# Altium PCB STM32F407开发板.PcbDoc (part 1 of 3) (continued)
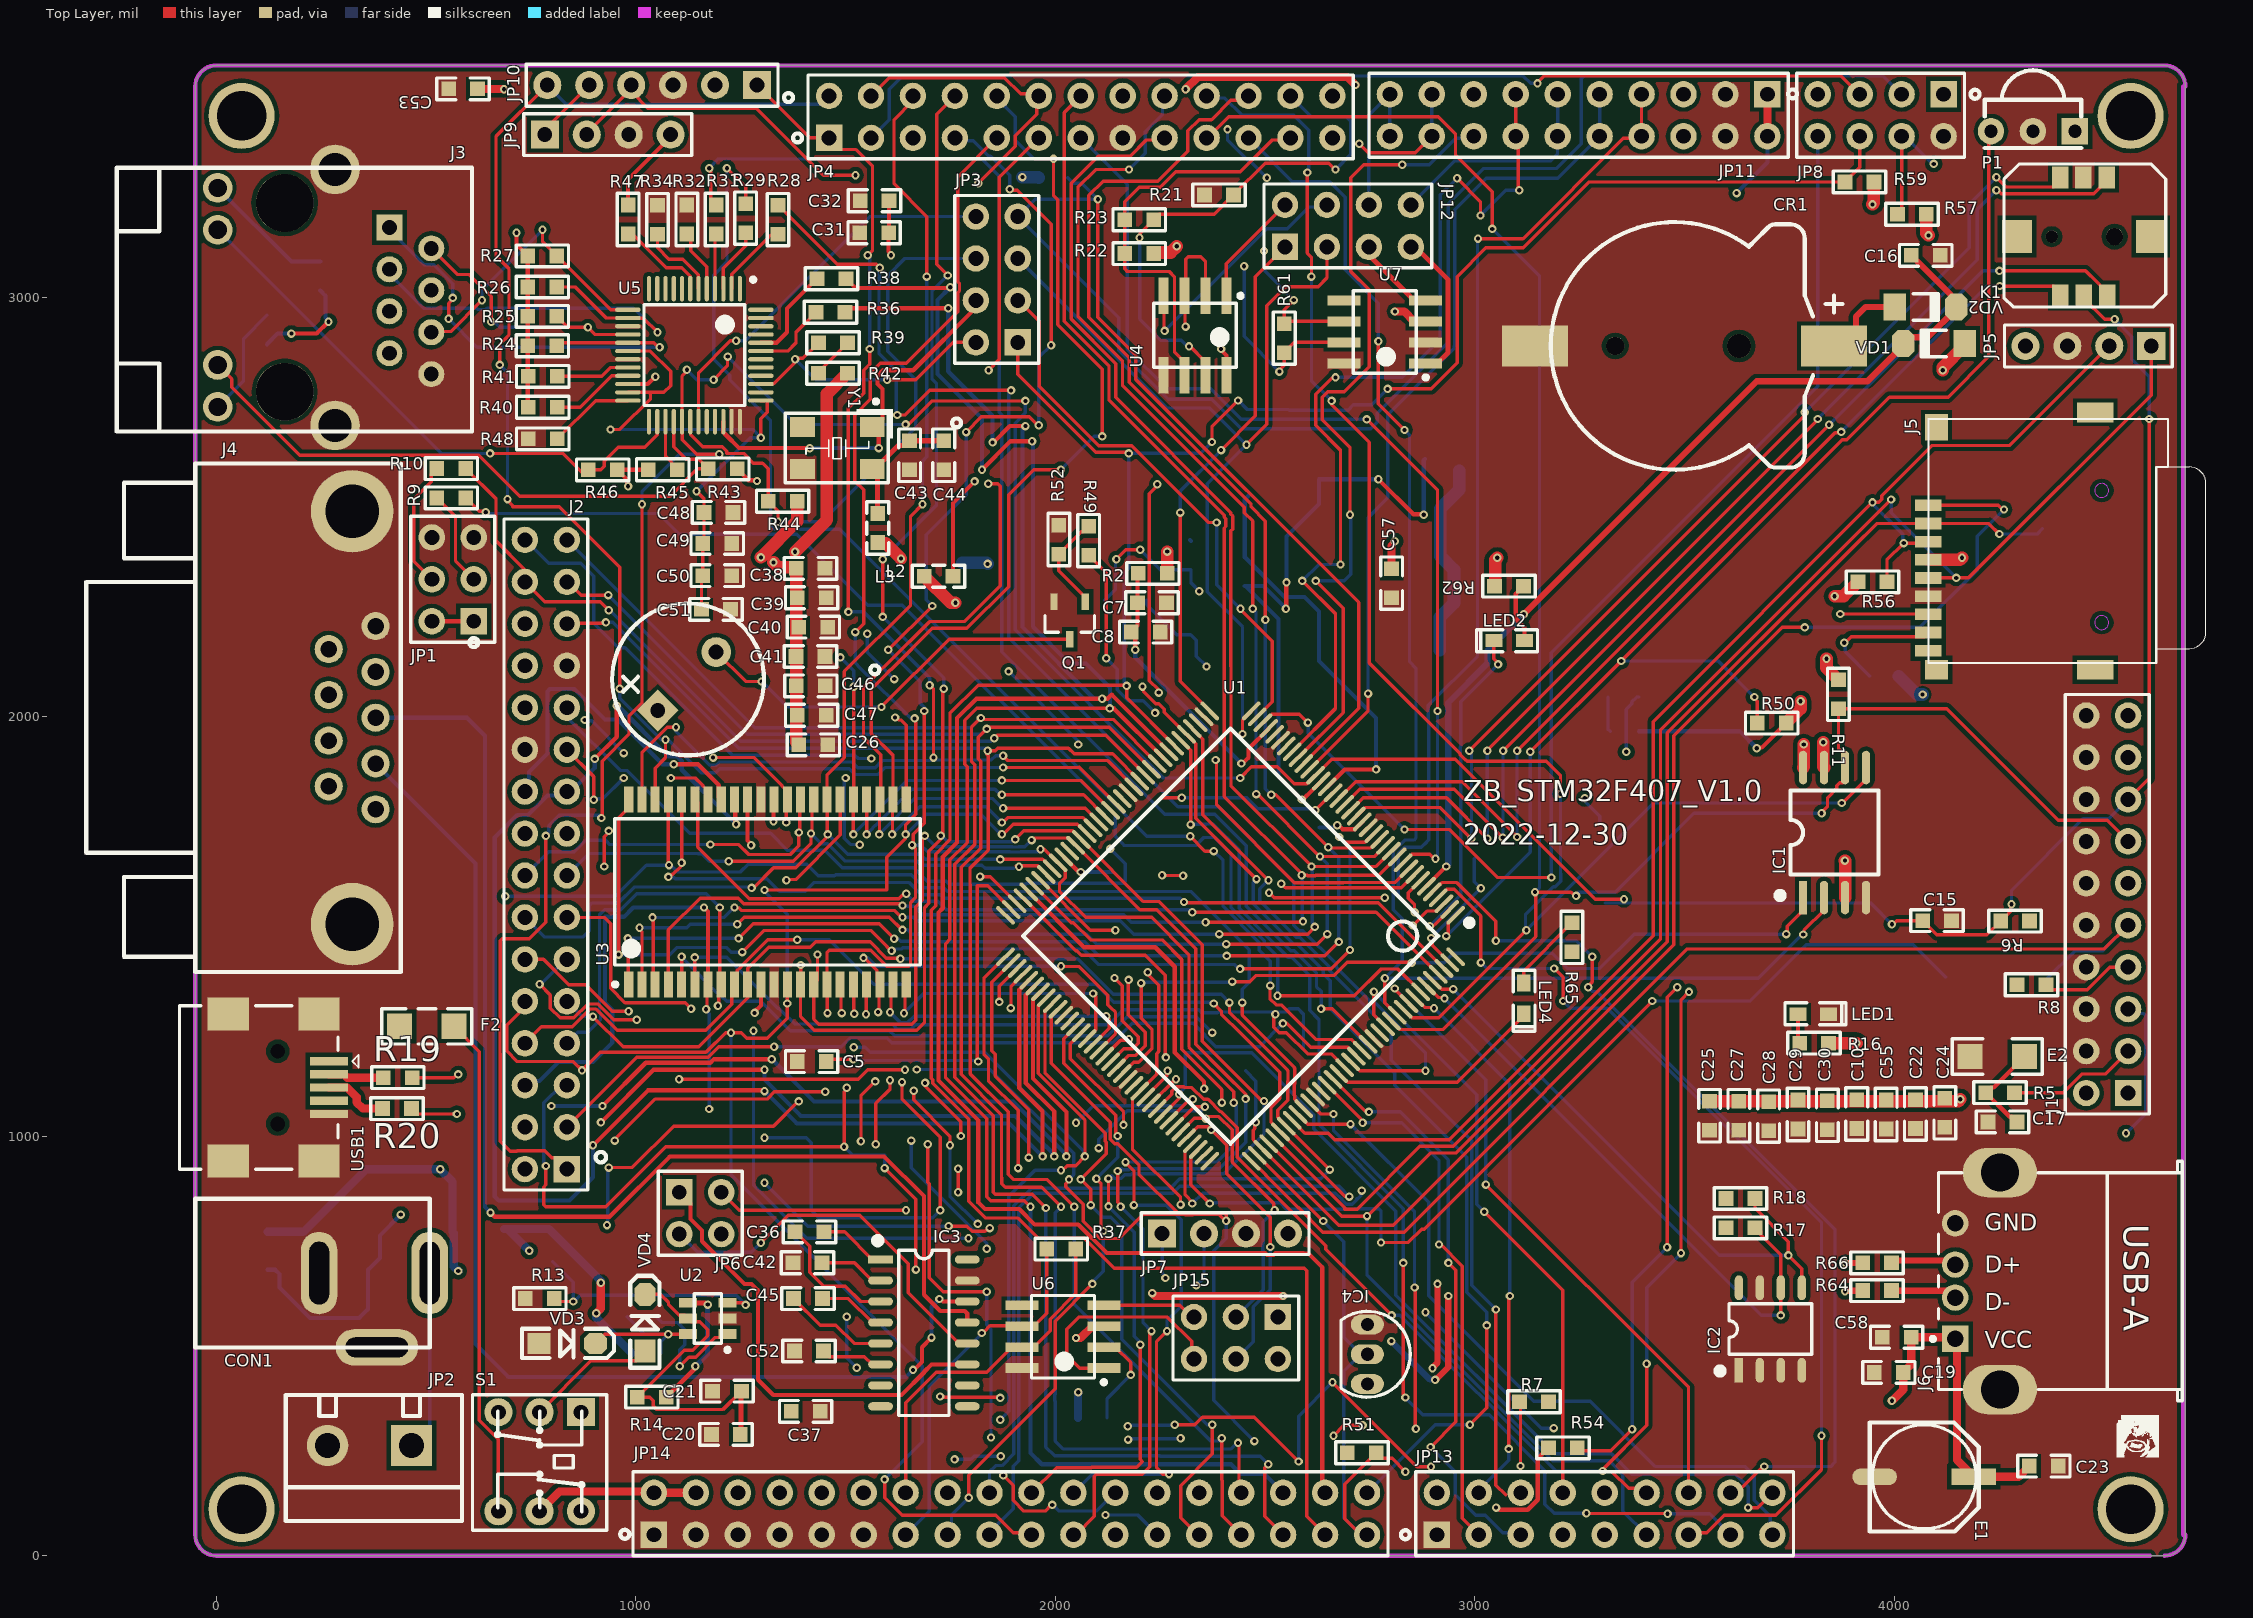
[diagram p0: Top Layer view]
## Footprints (in the part's own frame and the unit in brackets; to place one, negate y for a bottom-side part, rotate by r counter-clockwise, add the part's x,y. Pads: shape width x height; smd on the part's side, far side on the other; paste and mask are expansions set on the pad) (continued)
  rect 1.2x2.2 smd: 12(-9.95,-10.1) 13(5.63,-10.1)
  Keep-Out Layer circle w0.05: c0.9,-10.5 r0.425
  Keep-Out Layer circle w0.05: c-7.1,-10.5 r0.425
  silkscreen extent -9.55,-16.8 5.23,0, body extent -9.54,-14.5 5.24,0, height 1.8
"MINI_MELF (LL34)" [mm] "1.5*3.4mm(直径，脚距）"
  rect 1.37x1.62 smd: 1(-1.855,0)
  oct 1.37x1.62 smd: 2(1.855,0)
  silkscreen extent -0.76,-0.8 0.78,0.8, body extent -1.7,-0.75 1.7,0.75, height 1.5
MP2359 [mm] "SOT23, 6-Leads"
  rect 1.1x0.6 smd: 1(-1.2,0.95) 2(-1.2,0) 3(-1.2,-0.95) 4(1.2,-0.95) 5(1.2,0) 6(1.2,0.95)
  silkscreen extent -1.33,-1.5 0.81,2.02, body extent -0.85,-1.5 0.85,1.5, height 0.9
"R 0603" [mil] "1/10W贴片电阻"
  rect 35x35 smd: 1(-35,0) 2(34,0)
  silkscreen extent -63,-26 62,26, body extent -31,-16 31,16, height 16
SOD-123 [mil] "2.7x1.6X1.1mm（长宽高，不包括引脚）"
  rect 55x50 smd: 1(-67.5,0)
  oct 55x50 smd: 2(67.5,0)
  silkscreen extent -108,-35 112,35, body extent -73,-31 73,31, height 48
SOP8_L [mm] "5*6*1.8mm（长宽高）"
  rect 1.5x0.5 smd: 1(-2.5,1.905)
  oval 1.5x0.5 smd: 2(-2.5,0.635) 3(-2.5,-0.635) 4(-2.5,-1.905) 5(2.5,-1.905) 6(2.5,-0.635) 7(2.5,0.635) 8(2.5,1.905)
  silkscreen extent -2.69,-2.5 1.52,3.2, body extent -3,-2.5 3,2.5, height 1.9
SOP8W_L [mil] "5.3*8.3*1.8mm（长宽高）"
  rect 80x19.68 smd: 1(-155,75)
  oval 80x19.68 smd: 2(-155,25) 3(-155,-25) 4(-155,-75) 5(155,-75) 6(155,-25) 7(155,25) 8(155,75)
  silkscreen extent -156,-105 100,136, body extent -155,-104 155,104, height 75
SOP16_L [mm] "10.3*6.2*1.8mm（长宽高）"
  rect 1.5x0.5 smd: 1(-2.625,4.445)
  oval 1.5x0.5 smd: 2(-2.625,3.175) 3(-2.625,1.905) 4(-2.625,0.635) 5(-2.625,-0.635) 6(-2.625,-1.905) 7(-2.625,-3.175) 8(-2.625,-4.445) 9(2.625,-4.445) 10(2.625,-3.175) 11(2.625,-1.905) 12(2.625,-0.635) 13(2.625,0.635) 14(2.625,1.905) 15(2.625,3.175) 16(2.625,4.445)
  silkscreen extent -2.95,-5 1.52,5.74, body extent -3,-5 3,5, height 1.9
SOT23-3L [mm] "3x1.3x1mm(长宽高)"
  rect 0.45x1 smd: 1(-0.95,-1.143) 2(0.95,-1.143) 3(0,1.125)
  silkscreen extent -1.5,-0.3 1.5,0.7, body extent -1.5,-1.2 1.5,1.2, height 1.05
SOT223_L [mm] "6.4x7x1.6mm(长宽高)"
  rect 0.75x1.7 smd: 1(-2.3,-3.048) 2(0,-3.048) 3(2.3,-3.048)
  rect 3.1x1.7 smd: 2(0,3.048)
  silkscreen extent -3.25,-1.75 3.25,1.75, body extent -3.25,-3.51 3.25,3.51, height 1.65
TJA1050 [mm] "SOP, 8-Leads, Body 5.0x4.0mm (max), Pitch 1.27mm"
  rect 2x0.6 smd: 1(-2.475,1.905) 2(-2.475,0.635) 3(-2.475,-0.635) 4(-2.475,-1.905) 5(2.475,-1.905) 6(2.475,-0.635) 7(2.475,0.635) 8(2.475,1.905)
  silkscreen extent -2.6,-2.5 1.91,2.88, body extent -2,-2.5 2,2.5, height 1.75
TO92A [mm] "92晶体管"
  oval 2x1.2 hole 0.8: 1(0,-1.8) 2(0,0) 3(0,1.8)
  silkscreen extent -2.6,-2.6 1.6,2.6, body extent -2.3,-2.3 1.3,2.3, height 7.6
"TQFP144 20x20_L" [mm] "144脚，体宽：20x20mm, 脚距：0.5mm"
  oval 0.25x1.5 smd: 1(-8.75,-10.525) 2(-8.25,-10.525) 3(-7.75,-10.525) 4(-7.25,-10.525) 5(-6.75,-10.525) 6(-6.25,-10.525) 7(-5.75,-10.525) 8(-5.25,-10.525) 9(-4.75,-10.525) 10(-4.25,-10.525) 11(-3.75,-10.525) 12(-3.25,-10.525) 13(-2.75,-10.525) 14(-2.25,-10.525) 15(-1.75,-10.525) 16(-1.25,-10.525) 17(-0.75,-10.525) 18(-0.25,-10.525) 19(0.25,-10.525) 20(0.75,-10.525) 21(1.25,-10.525) 22(1.75,-10.525) 23(2.25,-10.525) 24(2.75,-10.525) 25(3.25,-10.525) 26(3.75,-10.525) 27(4.25,-10.525) 28(4.75,-10.525) 29(5.25,-10.525) 30(5.75,-10.525) 31(6.25,-10.525) 32(6.75,-10.525) 33(7.25,-10.525) 34(7.75,-10.525) 35(8.25,-10.525) 36(8.75,-10.525) 73(8.75,10.525) 74(8.25,10.525) 75(7.75,10.525) 76(7.25,10.525) 77(6.75,10.525) 78(6.25,10.525) 79(5.75,10.525) 80(5.25,10.525) 81(4.75,10.525) 82(4.25,10.525) 83(3.75,10.525) 84(3.25,10.525) 85(2.75,10.525) 86(2.25,10.525) 87(1.75,10.525) 88(1.25,10.525) 89(0.75,10.525) 90(0.25,10.525) 91(-0.25,10.525) 92(-0.75,10.525) 93(-1.25,10.525) 94(-1.75,10.525) 95(-2.25,10.525) 96(-2.75,10.525) 97(-3.25,10.525) 98(-3.75,10.525) 99(-4.25,10.525) 100(-4.75,10.525) 101(-5.25,10.525) 102(-5.75,10.525) 103(-6.25,10.525) 104(-6.75,10.525) 105(-7.25,10.525) 106(-7.75,10.525) 107(-8.25,10.525) 108(-8.75,10.525)
  oval 1.5x0.25 smd: 37(10.525,-8.75) 38(10.525,-8.25) 39(10.525,-7.75) 40(10.525,-7.25) 41(10.525,-6.75) 42(10.525,-6.25) 43(10.525,-5.75) 44(10.525,-5.25) 45(10.525,-4.75) 46(10.525,-4.25) 47(10.525,-3.75) 48(10.525,-3.25) 49(10.525,-2.75) 50(10.525,-2.25) 51(10.525,-1.75) 52(10.525,-1.25) 53(10.525,-0.75) 54(10.525,-0.25) 55(10.525,0.25) 56(10.525,0.75) 57(10.525,1.25) 58(10.525,1.75) 59(10.525,2.25) 60(10.525,2.75) 61(10.525,3.25) 62(10.525,3.75) 63(10.525,4.25) 64(10.525,4.75) 65(10.525,5.25) 66(10.525,5.75) 67(10.525,6.25) 68(10.525,6.75) 69(10.525,7.25) 70(10.525,7.75) 71(10.525,8.25) 72(10.525,8.75) 109(-10.525,8.75) 110(-10.525,8.25) 111(-10.525,7.75) 112(-10.525,7.25) 113(-10.525,6.75) 114(-10.525,6.25) 115(-10.525,5.75) 116(-10.525,5.25) 117(-10.525,4.75) 118(-10.525,4.25) 119(-10.525,3.75) 120(-10.525,3.25) 121(-10.525,2.75) 122(-10.525,2.25) 123(-10.525,1.75) 124(-10.525,1.25) 125(-10.525,0.75) 126(-10.525,0.25) 127(-10.525,-0.25) 128(-10.525,-0.75) 129(-10.525,-1.25) 130(-10.525,-1.75) 131(-10.525,-2.25) 132(-10.525,-2.75) 133(-10.525,-3.25) 134(-10.525,-3.75) 135(-10.525,-4.25) 136(-10.525,-4.75) 137(-10.525,-5.25) 138(-10.525,-5.75) 139(-10.525,-6.25) 140(-10.525,-6.75) 141(-10.525,-7.25) 142(-10.525,-7.75) 143(-10.525,-8.25) 144(-10.525,-8.75)
  silkscreen extent -9.78,-10.92 8.89,8.89, body extent -19.87,-19.87 19.87,19.87, height 1.05
USB-A/S_A [mm] "A型直插母头，"
  rect 1.6x1.6 hole 1: 1(0,-3.5)
  round 1.6 hole 1: 2(0,-1) 3(0,1) 4(0,3.5)
  oval 4.5x3 hole 2.3: 5(2.71,6.57) 6(2.71,-6.57)
  silkscreen extent -1.47,-7.25 13.75,7.25, body extent -0.6,-7.34 13.7,7.34, height 6.8
USB-MINI-A [mm] "MINI型USB，7.9*7.5*4.1mm"
  rect 2.3x0.5 smd: 1(-3.108,-1.6) 2(-3.108,-0.8) 3(-3.108,0) 4(-3.108,0.8) 5(-3.108,1.6)
  rect 2.5x2 smd: 5(-2.5,-4.45) 5(-2.5,4.45) 5(3,4.45) 5(3,-4.45)
  round 0.6 hole 0.9 unplated: MH1(0,2.2) MH2(0,-2.2)
  silkscreen extent -4.89,-4.95 5.95,4.95, body extent -3.7,-4.75 6,4.75, height 3.95
VS1838B-A [mm] "一体红外接收头"
  rect 1.6x1.6 hole 0.8: 1(-2.54,0)
  round 1.6 hole 0.8: 2(0,0) 3(2.54,0)
  silkscreen extent -2.92,-3.69 2.92,1.02, body extent -2.84,-3.6 2.84,0.8, height 8.3
XTAL-4S8 [mil]
  rect 80x60 smd: 1(0,-100) 2(0,0) 3(-200,0) 4(-200,-100)
  silkscreen extent -280,-110 80,10
"XTAL-49S SMD" [mm]
  rect 5x2 smd: 1(-4.75,0) 2(4.75,0)
  silkscreen extent -5.7,-2.4 5.7,2.4, body extent -6.7,-2.46 6.7,2.44, height 4
XTAL-5032 [mm]
  rect 1.5x1.2 smd: 1(-2.108,-1.27) 2(2.108,-1.27) 3(2.108,1.27) 4(-2.108,1.27)
  silkscreen extent -3.35,-2.95 3.15,2.11, body extent -2.5,-1.6 2.5,1.6, height 1
五向按键 [mm] "贴片，7*7*5mm"
  rect 1.35x1 smd: 1(0,0) 2(0,-1.425) 3(0,-2.85) 4(7.146,-2.819) 5(7.146,-1.407) 6(7.146,0.005)
  round 1.05 hole 1.05: ](3.571,-3.292)
  rect 2x1.8 smd: ""(3.571,-5.485) ""(3.571,2.615)
  round 0.75 hole 0.75: ""(3.571,0.508)
  silkscreen extent -0.69,-6.4 7.98,3.4, body extent -0.69,-6.4 7.98,3.4, height 0.51

## Part data
B1: "蜂鸣器", BOM名称=蜂鸣器, 学习资源=www.ooocke.com, 版权归属=源创客
C1 C2 C3 C4 C5 C6 C7 C8 C9 C10 C11 C12 C13 C14 C15 C16 C17 C18 C19 C20 C21 C22 C23 C24 C25 C26 C27 C28 C29 C30 C31 C32 C33 C34 C35 C36 C37 C38 C39 C40 C41 C42 C43 C44 C45 C46 C47 C48 C49 C50 C51 C52 C53 C54 C55 C56 C57 C58: library part C, "无极性贴片电容"
CON1: library part P-DC, "低压电源接口", BOM名称=DC电源接口, 学习资源=www.ooocke.com, 版权归属=源创客
CR1: library part CR-3V, "微型电池", BOM名称=微型电池, 学习资源=www.ooocke.com, 版权归属=源创客
DZ1: library part 1N4106, "12V/0.5W稳压管", BOM名称=12V/0.5W稳压管, 学习资源=www.ooocke.com, 版权归属=源创客
E1 E2: library part C-CAP, "直插电解电容"
F1 F2: library part "FU 5x20", "5*20保险丝", BOM名称=5*20保险丝, 学习资源=www.ooocke.com, 版权归属=源创客
IC1: "外置Flash", BOM名称=外置Flash, 学习资源=www.ooocke.com, 版权归属=源创客
IC2: "外置EEPROM", BOM名称=外置EEPROM, 学习资源=www.ooocke.com, 版权归属=源创客
IC4: "数字温度计", BOM名称=数字温度计, 学习资源=www.ooocke.com, 版权归属=源创客
J4: "9针串口", BOM名称=9针串口, 学习资源=www.ooocke.com, 版权归属=源创客
J5: "TF卡槽"
J6: library part "USB OTG"
JP1 JP15: library part "Header 3X2", "3*2P接插件", BOM名称=3*2P接插件, 学习资源=www.ooocke.com, 版权归属=源创客
JP2: library part "Header 2", "2P接插件", BOM名称=2P接插件, 学习资源=www.ooocke.com, 版权归属=源创客
JP3 JP8 JP12: "4*2P接插件", BOM名称=4*2P接插件, 学习资源=www.ooocke.com, 版权归属=源创客
JP4: library part "Header 13X2", "13*2P接插件", BOM名称=13*2P接插件, 学习资源=www.ooocke.com, 版权归属=源创客
JP5 JP7 JP9: library part "Header 4", "4P接插件", BOM名称=4P接插件, 学习资源=www.ooocke.com, 版权归属=源创客
JP6: library part "Header 2X2", "2*2P接插件", BOM名称=2*2P接插件, 学习资源=www.ooocke.com, 版权归属=源创客
JP10: library part "Header 6", "6P接插件", BOM名称=6P接插件, 学习资源=www.ooocke.com, 版权归属=源创客
JP11: library part "Header 10X2", "10*2P接插件", BOM名称=10*2P接插件, 学习资源=www.ooocke.com, 版权归属=源创客
JP13: "9*2P接插件", BOM名称=9*2P接插件, 学习资源=www.ooocke.com, 版权归属=源创客
JP14: library part "Header 18X2", "18*2P接插件", BOM名称=18*2P接插件, 学习资源=www.ooocke.com, 版权归属=源创客
L1 L2 L3: library part L, "小功率贴片电感"
LED1 LED2 LED3 LED4: library part LED-5MM, "5mm插件LED", BOM名称=5mm插件LED, 学习资源=www.ooocke.com, 版权归属=源创客
Q1: library part 8050-SMD, "高频放大-NPN型", BOM名称=高频放大-NPN型, 学习资源=www.ooocke.com, 属性="40V 1.5A 1W 100MHZ", 版权归属=源创客
R1 R2 R3 R4 R5 R6 R7 R8 R9 R10 R11 R12 R13 R14 R15 R16 R17 R18 R19 R20 R21 R22 R23 R24 R25 R26 R27 R28 R29 R30 R31 R32 R33 R34 R35 R36 R37 R38 R39 R40 R41 R42 R43 R44 R45 R46 R47 R48 R49 R50 R51 R52 R53 R54 R55 R56 R57 R58 R59 R60 R61 R62 R63 R64 R65 R66: library part R, "贴片电阻"
  R1 R2 R3 R4 R5 R6 R7 R8 R9 R10 R11 R12 R13 R14 R15 R16 R17 R18 R21 R22 R23 R24 R25 R26 R27 R28 R29 R30 R31 R32 R33 R34 R35 R36 R37 R38 R39 R40 R41 R42 R43 R44 R45 R46 R47 R48 R49 R50 R51 R52 R53 R54 R55 R56 R57 R58 R59 R60 R61 R62 R63 R64 R65 R66: BOM名称=贴片电阻, 学习资源=www.ooocke.com, 版权归属=源创客
S1: library part SSW-2P, "2路波动开关", BOM名称=波动开关, 学习资源=www.ooocke.com, 版权归属=源创客
USB1: "微型USB母座", BOM名称=微型USB母座, 学习资源=www.ooocke.com, 版权归属=源创客
V1: library part AMS1117, "三端稳压芯片", BOM名称=稳压芯片, 学习资源=www.ooocke.com, 版权归属=源创客
VD1 VD2: "高速开关二极管"
VD3 VD4: "肖特基二极管"
X1 X2: library part XTAL-2, "2脚晶振", BOM名称=2脚晶振, 学习资源=www.ooocke.com, 版权归属=源创客
IC3: BOM名称=MAX232, 学习资源=www.ooocke.com, 版权归属=源创客

## Free pads (board coordinates)
  round 157.48 hole 118.11: ""(60.55,110.86) ""(60.55,3432.45) ""(4563.86,110.86) ""(4563.86,3432.45)

## Via types
v1: diameter 20, hole 10, Top Layer to Bottom Layer, 620 vias

## Nets (pads, with @x,y where several pads share a name; then routed paths per layer and width w, separated by ;. In a path a pad name is that pad's centre, name@x,y a point inside that pad or via, vN(x,y) a via of type N, cw(c..) or ccw(c..) an arc to the next point about the centre after c; other vN are vias at no path point)
1_H: JP14.14 R37.1 U6.7 | length 850.2
  Top Layer w8: JP14.14@1643.51,150 1643.51,364.47 1716.4,437.37 1837,437.37 1896.63,497 U6.7@1921.24,497 ; U6.7@1921.24,496.95 1929.95,496.95 1930,497 1948.8,497 1987.98,536.18 1987.98,564.08 2049,625.09 R37.1@2049,731
1_L: JP14.13 R37.2 U6.6 | length 885.9
  Top Layer w8: v1(1825,531) 1825,533.49 1827.01,535.5 1832,535.5 1844.61,548.11 1920.14,548.11 U6.6@1921.24,547 1948.8,547 1980,578.19 R37.2@1980,731
  Bottom Layer w8: JP14.13@1643.51,50 1700.01,106.5 1700.01,404.01 1825,529 v1(1825,531)
2_H: JP4.25 R61.1 U7.7 | length 1020.4
  Top Layer w8: v1(2534.51,2822.94) 2534.51,2826.18 2546,2837.67 R61.1@2546,2868 2570.5,2892.5 U7.7@2688.56,2892.5
  PWR03 w8: v1(2450.48,3073.88) 2450.48,3293.58 2504.72,3347.82 2504.72,3404.89 2519.26,3419.43 2621.57,3419.43 JP4.25@2661,3380
  Bottom Layer w8: v1(2450.48,3073.88) 2450.48,2906.97 v1(2534.51,2822.94)
2_L: JP4.26 R61.2 U7.6 | length 1067.8
  Top Layer w8: v1(2568.77,2993.39) 2546,2970.63 R61.2@2546,2937 2551.5,2942.5 U7.6@2688.56,2942.5
  PWR03 w8: v1(2411,3400.33) 2411,3504.6 2425.83,3519.43 2621.57,3519.43 JP4.26@2661,3480 ; v1(2498,3110.46) 2498,3274.85 2504.72,3281.57 v1(2504.72,3284.82)
  Bottom Layer w8: v1(2411,3400.33) 2411,3374.23 2459.84,3325.39 2464.14,3325.39 v1(2504.72,3284.82) ; v1(2498,3110.46) 2498,3064.16 v1(2568.77,2993.39)
18B20: IC4.2 J1.5 JP14.35 R7.2 R51.1 U1.110 | length 4262
  Top Layer w8: U1.110@2481.53,954.53 2638.05,798 v1(2639,798) ; JP14.35@2743.51,50 2728.69,50 2690.63,88.05 2690.63,170.41 R51.1@2765.71,245.48 2779.21,231.98 2803.22,231.98 v1(2835,200.2) ; R7.2@3107,367 3109.5,364.5 v1(3109.5,213.94)
  PWR03 w8: v1(2639,798) 2729.62,798 2762.94,764.68 4117.58,764.68 4129.3,752.96 4161.97,752.96 4173.69,764.68 4327.68,764.68 4552.99,989.99 v1(4552.99,1007.05) ; v1(2835,200.2) 2858.74,200.2 2888.57,230.04 3090.16,230.04 3106.26,213.94 v1(3109.5,213.94)
  Bottom Layer w8: v1@2637.6,798.46 2688,748.05 2688,520.89 IC4.2@2728.59,480.31 ; JP14.35@2743.51,50 2728.69,50 2688,90.69 2688,439.72 IC4.2@2728.59,480.31 ; IC4.2@2744.33,480.31 IC4.2@2728.59,480.31 ; v1(4552.99,1007.05) 4600,1054.06 4600,1287.89 4595.41,1292.48 4568.52,1292.48 J1.5@4558,1303
232_RX: IC3.12 JP6.3 | length 908
  Top Layer w8: v1(1298.49,746.05) 1363.75,811.32 1534.68,811.32 1650.06,695.93 1650.06,626.6 1770.66,506 IC3.12@1790.35,506
  Bottom Layer w8: JP6.3@1104,766.59 1147.5,723.09 1275.53,723.09 v1(1298.49,746.05)
232_TX: IC3.11 JP6.1 | length 1079.3
  Top Layer w10: JP6.1@1104,866.59 1130.5,840.09 1130.5,803.02 1158.03,775.48 1158.03,749.63 1259.69,647.97 1276.25,647.97 1291.63,632.6 1291.63,419.37 1327.84,383.16 1633.68,383.16 1687.9,437.37 1687.9,438.63 1705.27,456 IC3.11@1790.35,456
485_RE: U1.91 U4.2 U4.3 | length 2204.5
  Top Layer w8: U1.91@2132.15,1177.24 2163.48,1208.56 2184.68,1208.56 2198,1221.89 2198,1237.37 2160,1275.37 2160,1301.74 2160,1358.71 v1(2141.41,1377.29) ; v1(2243.51,2554.23) 2243.51,2550.98 2224.46,2531.94 2224.46,2086.18 2246.81,2063.83 v1(2246.81,2057.68) ; v1(2311,2930.03) 2309.65,2931.38 2309.65,3002.14 U4.3@2308.3,3003.49 2311,3006.18 2311,3090.62 2317.42,3097.05 2347.22,3097.05 2358.3,3085.96 U4.2@2358.3,3003.48
  PWR03 w8: v1(2141.41,1377.29) 2141.41,1457.73 2165.68,1482.01 2165.68,1976.56 v1(2246.81,2057.68) ; v1(2243.51,2554.23) 2243.51,2862.54 v1(2311,2930.03)
485_RX: JP12.4 U4.4 | length 596
  Top Layer w8: U4.4@2258.3,3003.48 2259.65,3002.14 2259.65,2921.34 v1(2261,2920)
  Bottom Layer w8: v1(2261,2920) 2504.72,3163.72 2553.01,3163.72 2604.5,3215.21 2642.99,3215.21 JP12.4@2648,3220.22
485_TX: JP12.2 U4.1 | length 274.6
  Top Layer w8: U4.1@2408.3,3003.48 2408.3,3080.52 JP12.2@2548,3220.22
A: JP4.23 R22.1 R23.2 U4.6 | length 989.3
  Top Layer w8: U4.6@2308.3,2814.51 2308.3,2846 2284.49,2869.82 2284.49,3049.38 2272.37,3061.5 2172.07,3061.5 2166,3067.57 R22.1@2166,3104.27 R23.2@2166,3184.69 2166,3228.18 2200.32,3262.5 2250.65,3262.5 2287.15,3299 2441.51,3299 2517.5,3374.99 2555.99,3374.99 JP4.23@2561,3380
ATCLED: J3.10 R46.1 U5.26 | length 1367.3
  Top Layer w8: v1(653,2627.76) 825.74,2627.76 875.91,2577.59 R46.1@886.96,2588.65 916.46,2588.65 924.98,2597.16 924.98,2609.63 958.03,2642.69 1021.76,2642.69 1051.08,2672.01 1051.08,2703.22 U5.26@1051.44,2703.58
  Bottom Layer w8: J3.10@3.46,3160.86 536.56,2627.76 v1(653,2627.76)
AUDIO: JP11.6
B: JP4.24 R21.2 R23.1 U4.7 | length 1276
  Top Layer w8: v1(2201,3142) 2203.3,3144.3 2203.3,3152.98 R23.1@2235,3184.69 2248.5,3198.19 2379.19,3198.19 R21.2@2425,3244 2500.56,3319.56 2652.27,3319.56 2667.28,3304.55 v1(2668.37,3304.55) ; v1(2319,2883) 2319.3,2883 2320.3,2884 2358.3,2846 U4.7@2358.3,2814.51
  Bottom Layer w8: v1(2201,3142) 2201,3122.38 2201.72,3121.65 2201.72,2948.16 2251.88,2898 2300.31,2898 2315.3,2883 v1(2319,2883) ; JP4.24@2561,3480 2611,3430 2693.96,3430 2704.5,3419.46 2704.5,3340.68 v1(2668.37,3304.55)
BEED: R49.2 U1.92 | length 1390.5
  Top Layer w8: R49.2@2079.88,2385.21 2122,2343.09 v1(2122,2139.59) ; U1.92@2146.07,1163.32 2146.31,1163.32 2175.55,1192.56 2192.2,1192.56 2214.79,1215.16 2214.79,1248.39 2174.09,1289.09 2174.09,1371.67 v1(2175,1372.58)
  PWR03 w8: v1(2175,1372.58) 2175,1464.5 2204.81,1494.31 2204.81,1602.98 2238.37,1636.54 v1(2238.37,2009.3) v1@2238.37,2010.07
  Bottom Layer w8: v1(2122,2139.59) 2148.31,2113.28 2148.31,2064.57 2174.8,2038.08 2209.59,2038.08 v1(2238.37,2009.3)
BOOT0: R9.1 U1.138 | length 2996.4
  Top Layer w8: R9.1@595.01,2521.64 626.73,2489.92 640.35,2489.92 v1(642.65,2487.63) ; v1(2530,1335) 2605.89,1335 2686.65,1335 2713.26,1335 2776.94,1398.68 2816.86,1398.68 U1.138@2871.27,1344.27
  Bottom Layer w8: v1(642.65,2487.63) 645.58,2484.69 1054.31,2484.69 1103.87,2435.13 1384.06,2435.13 1553.21,2265.99 1635.95,2265.99 1859.82,2042.11 1866.89,2042.11 2143.48,1765.52 2143.48,1714.96 2160.98,1697.46 2160.98,1697.13 2165.13,1692.98 2335.44,1692.98 2354.64,1712.17 2380.2,1712.17 2419.13,1673.25 2419.13,1545.85 2498.87,1466.1 2498.87,1459.74 2530.94,1427.67 2530.94,1335.94 v1(2530,1335)
BOOT1: J2.30 R10.2 U1.48 | length 1981.2
  Top Layer w8: R10.2@595.01,2591.65 666.99,2519.67 666.99,2420.01 J2.30@736,2351 ; J2.30@736,2321.58 783.55,2274.03 915.65,2274.03 v1(935.74,2253.93) ; v1(1855,1949) 1862,1956 2120.35,1956 U1.48@2215.67,1860.68
  Bottom Layer w8: v1(935.74,2253.93) 938.62,2253.93 1250.55,1942 1848,1942 v1(1855,1949)
CAN1_RX: JP15.5 U6.4 | length 226.5
  Top Layer w8: U6.4@2116.13,597 2297.49,597 2325.49,569 JP15.5@2331,569
CAN1_TX: JP15.6 U6.1 | length 541.4
  Top Layer w8: U6.1@2116.13,447 2058.83,447 2027.78,478.05 2027.78,540.11 2056.66,569 2267.81,569 2325.49,511.31 2325.49,474.5 JP15.6@2331,469
CAN2_RX: JP12.5 U7.4 | length 200
  Top Layer w12: JP12.5@2748,3120.22 2757.76,3110.46 2757.76,3090.62 2855.88,2992.5 U7.4@2883.44,2992.5
CAN2_TX: JP12.7 U7.1 | length 359.1
  Top Layer w12: JP12.7@2848,3120.22 2858.76,3120.22 2936.81,3042.17 2936.81,2868.31 2911,2842.5 U7.1@2883.44,2842.5
CH_PD: JP3.7 JP8.3 R55.2 U1.27 | length 4982.5
  Top Layer w8: v1(2101.88,3233.6) 2101.88,2952.56 2192.5,2861.94 2192.5,2804.03 2724,2272.54 2724,2020.13 2592.88,1889.02 U1.27@2592.88,1888.52
  Bottom Layer w8: R55.2@2030,3285 2043.5,3271.5 2063.98,3271.5 v1(2101.88,3233.6) 1952.1,3233.6 JP3.7@1911,3192.5 2152,2951.5 2152,2874.12 2269.51,2756.61 2373.78,2756.61 2443.4,2687 2752.11,2687 2767.69,2702.57 2767.69,2723.37 2936.81,2892.5 2936.81,3222.81 3021,3307 3195,3307 3254,3366 3254,3521 3260.5,3527.5 3974.5,3527.5 JP8.3@4018,3484
DCMI_D0: JP7.1 JP11.17 JP11.18 JP13.7 U1.96 | length 4782.3
  Top Layer w8: v1(2220.81,1390.96) 2220.81,1387.72 2224.74,1383.79 2224.74,1382.15 2246.85,1360.03 2246.85,1201.97 2242,1197.11 2242,1147.89 U1.96@2201.75,1107.64 2184.35,1090.24 2184.35,969.13 2299,854.48 v1(2299,837) ; v1(2255,1622.06) 2255.46,1621.59 2304.53,1621.59 v1(2305,1621.13) ; v1(2725,3366) 2746.44,3344.57 2858.57,3344.57 JP11.18@2898,3384
  PWR03 w8: v1(2220.81,1390.96) 2220.81,1587.87 v1(2255,1622.06) ; JP7.1@2255,767.82 2299,811.82 v1(2299,837) ; v1(2262.85,662.05) 2262.85,573.95 2324.18,512.63 2443.14,512.63 2470.43,485.33 2470.43,438.57 2492,417 2573.67,417 2890.47,100.2 2890.64,100.2 2898.35,92.49 3167.51,92.49 JP13.7@3210,50 ; v1(2305,1621.13) 2299.88,1626.24 2299.88,1751.08 2323.88,1775.08 2323.88,2492.18 2297,2519.06 2297,2892.11 2311.4,2906.52 2318.6,2906.52 2474.78,3062.7 2474.78,3301 2497.38,3323.6 2637.74,3323.6 2651.08,3336.94 2702.72,3336.94 2725,3359.22 v1(2725,3366)
  Bottom Layer w8: JP7.1@2255,767.82 2255,673.15 2262.85,665.29 v1(2262.85,662.05) ; JP11.18@2885.78,3384 JP11.18@2898,3384 JP11.17@2898,3484
DCMI_D1: JP7.2 JP13.10 U1.97 | length 3009.6
  Top Layer w8: U1.97@2215.67,1093.72 2265.85,1143.9 2265.85,1153.79 v1(2268.15,1156.08)
  PWR03 w8: v1(1656.89,989.51) 1679.58,989.51 1759.27,1069.2 2181.26,1069.2 v1(2268.15,1156.08) ; v1(1837,731.79) 1942.81,625.97 2097.87,625.97 2155.94,684.05 2296.37,684.05 v1(2336.26,644.16) 2815.84,644.16 2879.59,580.41 v1(2882.78,580.41) ; v1(3188.55,304.08) 3188.55,271.45 JP13.10@3310,150
  Bottom Layer w8: v1(1656.89,989.51) 1656.89,924.81 1797.57,784.14 1797.57,783.57 1808.08,773.06 1808.64,773.06 1837,744.7 v1(1837,731.79) ; v1(2336.26,644.16) 2355,662.91 JP7.2@2355,767.82 ; v1(2882.78,580.41) 3159.11,304.08 v1(3188.55,304.08)
DCMI_D2: J5.7 JP13.9 R54.1 U1.98 | length 6235.6
  Top Layer w3.94: U1.98@2229.59,1079.8 U1.98@2230.69,1079.8 ; v1@2286.89,1136 v1(2288,1136)
  Top Layer w7.99: 1696.49,890.1 v1(1696.49,981.05) ; U1.98@2230.69,1079.8 v1@2286.89,1136 ; v1(2285.12,312.36) 2333.24,312.36 2351.17,330.29 2474.69,330.29 v1(2580.46,224.53) ; v1(2661.11,413.54) 2862.55,212.1 v1(2896,212.1) ; R54.1@3245,257.09 3251.88,250.21 3324.37,250.21 v1(3375.47,301.31) ; v1(3459,735.35) 3459,1331 v1(3483,1355) ; v1(3871.7,2245.08) 4080.83,2245.08 J5.7@4081.75,2244.16
  Top Layer w8: 1696.49,890.1 1700,886.59 1700,662.5 1733.36,629.14 v1(1837,629.14)
  PWR03 w7.99: v1(1696.49,981.05) 1726.64,981.05 1796.08,1050.5 2162.68,1050.5 2164.29,1052.11 2195.77,1052.11 2197.35,1050.53 2204.81,1058 2210,1058 v1(2288,1136) ; v1(1847,281.76) 2145.8,281.76 v1(2172.86,308.82) ; v1(2896,212.1) 3067.79,212.1 3086.4,193.49 3128.01,193.49 3155.88,165.63 3155.88,142.61 3205,93.49 3228.01,93.49 3266.52,54.99 3305.01,54.99 JP13.9@3310,50 3353.61,93.61 3353.61,199.61 3375.47,221.47 v1(3375.47,301.31) ; v1(3483,1355) 3483,1940.26 3787.82,2245.08 v1(3871.7,2245.08)
  Bottom Layer w7.99: v1(1837,629.14) 1837,550.11 1847,540.11 v1(1847,281.76) ; v1(2172.86,308.82) 2174.63,310.59 2283.35,310.59 v1(2285.12,312.36) ; v1(2580.46,224.53) 2580.46,332.89 v1(2661.11,413.54) ; v1(3375.47,301.31) 3375.47,651.82 v1(3459,735.35)
DCMI_D3: J5.8 JP13.12 R53.1 U1.99 | length 4241.8
  Top Layer w8: U1.99@2243.51,1065.88 2278.06,1100.44 2278.06,1107.43 2288.57,1117.94 2306.37,1117.94 2308.26,1116.04 2326.06,1116.04 2354.16,1087.94 2364.43,1087.94 2393.49,1058.88 2395.52,1058.88 2434.17,1020.23 2434.17,950.11 2645.11,739.17 2645.11,730.02 v1(2802.17,572.95) ; JP13.12@3410,150 3399.48,160.52 3367.17,160.52 3327.01,200.68 3306.33,200.68 v1(3305.01,202) 3305.01,205.48 3410,310.47 v1(3410,457.41) ; v1(3492.11,721.35) 3492.11,1325.11 v1(3511,1344) ; v1(3881.12,2176.49) 3883.08,2176.49 3897.66,2191.07 4071.97,2191.07 J5.8@4081.75,2200.85
  PWR03 w8: v1(3511,1344) 3511,1932.27 3755.23,2176.49 v1(3881.12,2176.49)
  Bottom Layer w8: v1(2802.17,572.95) 2822.02,572.95 3192.97,202 v1(3305.01,202) ; v1(3410,457.41) 3410,639.24 v1(3492.11,721.35) ; v1(3881.12,2176.49) 3883.42,2174.2 3883.42,2155.58 R53.1@3942,2097
DCMI_D4: J5.2 JP13.11 R58.1 U1.112 | length 4021.4
  Top Layer w8: U1.112@2509.37,982.36 2509.86,982.36 2682.75,809.48 v1(2743.51,809.48) 2893.91,959.88 2955.51,959.88 3459,1463.37 3459,1961.37 3902.06,2404.44 3958.32,2460.69 J5.2@4081.75,2460.69 4226,2460.69 v1(4251,2435.7)
  Bottom Layer w8: v1(2743.51,809.48) 2743.5,668.4 3185.9,226 3320.84,226 3353.5,193.34 3353.5,106.5 JP13.11@3410,50 ; v1(4251,2435.7) 4341.1,2435.7 R58.1@4353.4,2448
DCMI_D5: JP13.14 U1.136 | length 1541.8
  Top Layer w8: v1(2809.73,1352.09) 2809.73,1350.63 2843.43,1316.93 U1.136@2843.43,1316.43 ; v1(3026.79,884.68) 3510,401.48 JP13.14@3510,150
  Bottom Layer w8: v1(2809.73,1352.09) 3026.79,1135.02 v1(3026.79,884.68)
DCMI_D6: JP13.13 U1.4 | length 2319.5
  Top Layer w8: U1.4@2913.03,1568.37 2913.53,1568.37 2933.93,1588.77 2951.36,1588.77 3015,1525.13 v1(3015,1413.87) ; v1(3189.6,1399.95) 3211,1378.55 v1(3211,1322.27) ; JP13.13@3510,50 3515.01,55.01 3553.5,55.01 3594.74,96.25 3717.77,96.25 3827,205.49 v1(3827,286)
  Bottom Layer w8: v1(3015,1413.87) 3028.92,1399.95 v1(3189.6,1399.95) ; v1(3211,1322.27) 3228.35,1304.92 3315.71,1304.92 3827,793.63 v1(3827,286)
DCMI_D7: JP13.16 U1.5 | length 2229.4
  Top Layer w8: U1.5@2899.11,1582.29 2899.61,1582.29 2922.09,1604.77 2957.98,1604.77 3050.65,1512.11 v1(3050.65,1466.19) ; v1(3271,1355) 3271,1358.25 3280.43,1367.68 v1(3280.43,1427.79) ; JP13.16@3610,150 3624.76,150 3687.27,212.51 v1(3690.52,212.51)
  Bottom Layer w8: v1(3050.65,1466.19) 3242.03,1466.19 v1(3280.43,1427.79) ; v1(3271,1355) 3281.06,1344.94 3292.58,1344.94 3859,778.51 3859,222.37 3849.14,212.51 v1(3690.52,212.51)
DCMI_HREF: JP13.6 U1.40 | length 2158.6
  Top Layer w8: U1.40@2327.02,1972.04 2327.02,1971.54 2352.26,1946.3 2352.26,1766.42 v1(2508.54,1610.13) ; v1(3050.65,587) 3050.65,168.35 3074,145
  Bottom Layer w8: v1(2508.54,1610.13) 2487.86,1589.45 2487.86,1561.26 2575.01,1474.11 2583.64,1474.11 2654.89,1402.86 2654.89,1394.23 2801.67,1247.45 2801.67,1180.91 2992.86,989.72 2992.86,644.79 v1(3050.65,587)
DCMI_PCLK: JP13.15 U1.42 | length 2783.7
  Top Layer w8: U1.42@2299.18,1944.2 2299.18,1943.7 2323,1919.88 v1(2323,1743) ; v1(2830.01,698) 2830.01,385.24 2835,380.25 v1(2835,377) ; v1(3266.49,101) 3266.99,100.5 3459.5,100.5 v1(3460,100)
  Bottom Layer w8: v1@2323.88,1743.97 2360.59,1743.97 2360.92,1744.3 2374.17,1744.3 2374.5,1743.97 2377.32,1743.97 2438.82,1682.47 2438.82,1543.03 2510.81,1471.04 2510.81,1470.43 2555.13,1426.11 2563.75,1426.11 2606.89,1382.98 2606.89,1299.96 2629,1277.84 2629,1028 2830.01,826.99 v1(2830.01,698) ; v1(2835,377) 2876.01,335.99 3034.51,335.99 3167.51,202.98 3167.51,123 3189.51,101 v1(3266.49,101) ; v1(3460,100) 3560,100 JP13.15@3610,50
DCMI_PWDN: JP13.17 U1.117 | length 1735
  Top Layer w8: U1.117@2578.96,1051.96 2579.46,1051.96 2602.5,1028.92 v1(2704.1,1028.92)
  Bottom Layer w8: v1(2704.1,1028.92) 2890.64,842.38 2890.64,619.81 2955.39,555.07 2955.39,554.9 3044.02,466.27 3044.18,466.27 3051.21,459.25 3051.21,457.41 3140.63,367.99 3275.67,367.99 3431.15,212.51 3645.53,212.51 3666.5,191.53 3666.5,131.98 3704.99,93.5 3704.99,55.01 JP13.17@3710,50
DCMI_RESET: JP13.8 U1.132 | length 1475.7
  Top Layer w8: v1(2759.92,1344.27) 2759.92,1289.09 2787.75,1261.25 U1.132@2787.75,1260.75 ; v1(3023,820) 3210,633 JP13.8@3210,150
  Bottom Layer w8: v1(2759.92,1344.27) 3004.79,1099.39 3004.79,838.21 v1(3023,820)
DCMI_SCL: JP13.3 U1.122 | length 1278.1
  Top Layer w8: U1.122@2648.56,1121.56 2730.7,1039.42 2730.7,1034.3 v1(2733,1032) ; v1(2915,742) 2918.76,742 2970.57,690.19 2970.57,89.43 JP13.3@3010,50
  Bottom Layer w8: v1(2733,1032) 2826.17,1032 2915,943.17 v1(2915,742)
DCMI_SDA: JP13.5 U1.123 | length 1405.4
  Top Layer w8: U1.123@2662.48,1135.48 2739.96,1058 v1(2748,1058) ; v1(2895,258.99) 2954.79,318.78 2954.79,611.03 2955.33,611.57 2955.33,626.43 2954.79,626.96 2954.79,680.6 v1(2937.39,698)
  Bottom Layer w8: v1(2748,1058) 2822.8,1058 2937.39,943.41 v1(2937.39,698) ; v1(2895,258.99) 2953.5,200.5 2953.5,144.99 3002.23,96.25 3025.26,96.25 3066.5,55.01 3104.99,55.01 JP13.5@3110,50
DCMI_VSYNC: JP13.4 U1.137 | length 1316.9
  Top Layer w8: U1.137@2857.35,1330.35 2857.85,1330.35 2881.25,1306.95 2901.23,1306.95 v1(2903.25,1304.92) ; v1@3081.57,254.57 3081.57,616.57 v1(3084,619)
  Bottom Layer w8: v1(2903.25,1304.92) 3084,1124.17 v1(3084,619) ; JP13.4@3010,150 3010,155.75 3081.55,227.3 v1(3081.55,254.55)
DCMI_XCLK: JP13.18 U1.100 | length 2195.9
  Top Layer w8: U1.100@2257.42,1052 2296.37,1090.94 2296,1091.32 v1(2296,1100) ; v1(3652,114.66) 3674.66,114.66 JP13.18@3710,150
  Bottom Layer w8: v1(2296,1100) 2296,1102.54 2310.29,1116.83 2310.29,1194.09 2314.97,1198.78 2468.56,1198.78 2616.3,1051.04 2616.3,1017.56 2812.35,821.52 2812.35,756.18 2812.07,755.91 2812.07,621.02 3190.45,242.64 3326.32,242.64 3375.47,193.49 3622.27,193.49 3652,163.77 v1(3652,114.66)
EN: JP4.1 JP10.1 U1.50 U3.43 | length 3305.8
  Top Layer w8: U3.43@1015.02,1802.76 1015.02,1914.39 1075.64,1975 v1(1096.04,1975) ; JP10.1@1289.31,3505.73 1415.04,3380 JP4.1@1461,3380 1488.5,3352.5 1524.1,3352.5 1564.6,3312 1564.6,3111.79 v1(1553.21,3100.39) ; v1(1507.1,2249.99) 1507.1,2735.27 1543.49,2771.65 1543.49,2826.38 1557.85,2840.74 v1(1557.85,2876.68) ; v1(1700.68,2075) 1710.02,2065.66 v1(1710.02,1902.71) ; v1(1876,1907) 1887.28,1895.72 2124.95,1895.72 U1.50@2187.83,1832.84
  Bottom Layer w8: v1(1096.04,1975) 1096.04,1965.82 1177.09,1884.78 1191.95,1884.78 1199.17,1892 1516.19,1892 1529.71,1878.48 1571.12,1878.48 1588.37,1895.72 1703.03,1895.72 v1(1710.02,1902.71) 1715.73,1897 1848.11,1897 1858.11,1907 v1(1876,1907) ; v1(1507.1,2249.99) 1543.11,2249.99 1700.68,2092.42 v1(1700.68,2075) ; v1(1553.21,3100.39) 1557.85,3095.75 v1(1557.85,2876.68)
FSMC_A0: JP4.13 U1.10 U3.5 | length 4689.5
  Top Layer w8: U3.5@1109.51,1361.82 v1(1109.51,1427.79) ; v1(2509.86,1580.34) 2521.83,1568.37 v1(2785.86,1568.37) ; v1(2743,2709) 2911.61,2540.39 v1(2911.61,2013.79) ; U1.10@2829.51,1651.89 2830.01,1651.89 2850.41,1672.29 2892.99,1672.29 2903.57,1661.71 v1(2906.81,1661.71)
  PWR03 w8: v1(2374.44,1247) 2356,1265.45 2356,1345.88 2431,1420.89 2431,1501.48 v1(2509.86,1580.34) ; v1(2785.86,1568.37) 2879.2,1661.71 v1(2906.81,1661.71)
  Bottom Layer w8: v1(1109.51,1427.79) 1109.51,1426.79 1203.3,1333 1205.11,1333 1216.53,1321.58 1298.49,1321.58 1307,1313.07 1307,1313.61 1369,1251.61 1604.77,1251.61 1617.26,1239.12 2125.71,1239.12 2171.77,1285.19 2336.26,1285.19 v1(2374.44,1247) ; JP4.13@2061,3380 2172.07,3268.93 2172.07,2876.68 2267.07,2781.68 2371.34,2781.68 2444.02,2709 v1(2743,2709) ; v1(2906.81,1661.71) 2911.61,1666.51 v1(2911.61,2013.79)